# KiCad board hypjolin-main.kicad_pcb (continued)
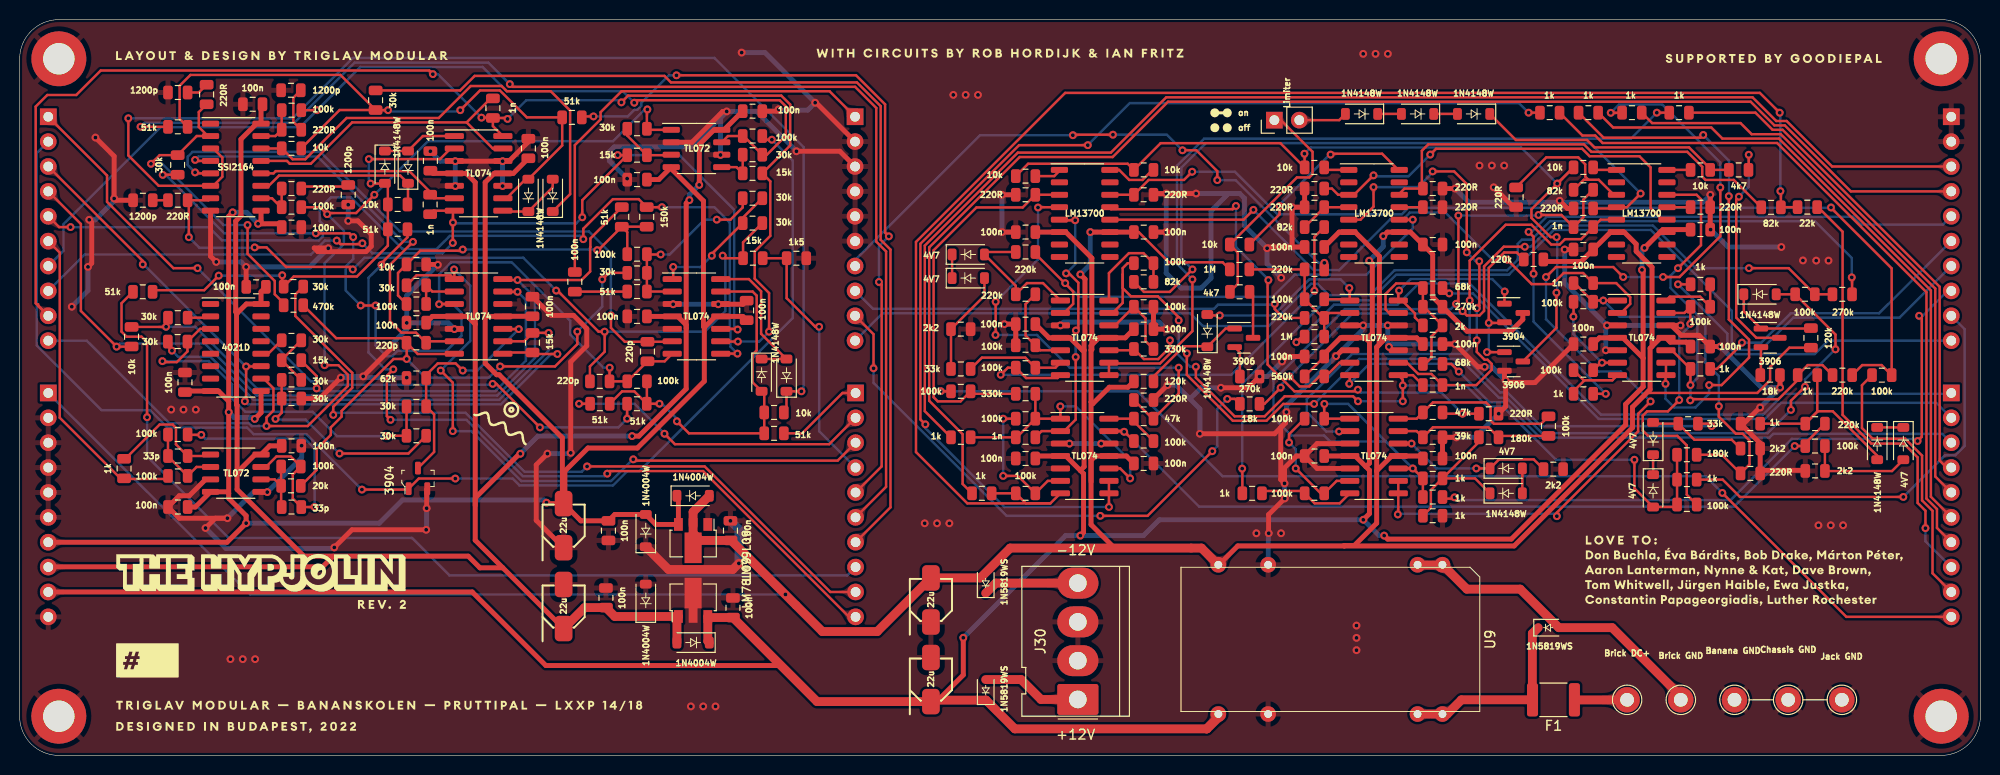
[diagram p0: board, top side]
## Routing (per net, layer and track width the routed paths; a pad name or vN(x,y) marks a point on that pad's centre or on a via; arc(x,y) is an arc through that point) (continued)
Net-(C35-Pad1): length 82.2
  Top w0.25: v1(136.51,36.16) 136.01,36.66 129.03,36.66 126.99,34.62 123.93,34.62 119.98,38.57 v1(119.98,39.69) ; 168.81,25.36 D21.2 164.71,27.27 v1(164.71,30.19) ; R107.2 R109.2 R104.2 ; R92.2 114.68,40.47 116.13,40.47 117.34,41.67 v1(117.34,42.38) ; v1(141.09,36.16) 141.09,37.77 v1(141.08,37.77) 141.08,38.36 140.62,38.82 142.12,38.82 C35.1 ; 111.11,41.36 113.53,41.36
  Bottom w0.25: v1(141.08,37.77) 147.52,37.77 149.68,35.61 151.29,35.61 156.72,30.19 v1(164.71,30.19) ; v1(136.51,36.16) v1(141.09,36.16) ; v1(117.34,42.38) 117.34,41.75 119.4,39.69 v1(119.98,39.69)
Net-(C35-Pad2): length 47.5
  Top w0.25: v1(144.13,59.62) 146.32,59.62 147.61,58.34 v1(147.61,51.37) ; v1(148.63,45.66) 148.89,45.92 148.89,50.45 v1(148.88,50.46) ; 135.68,54.7 136.77,54.7 138.1,56.03 v1(138.1,58.03) ; v1(148.63,42.38) 148.63,41.19 149.43,40.4 149.73,40.4 150.15,39.97 150.15,39.37 148.59,37.81 C35.2 144,38.94 142.66,38.94 141.5,40.09 U3.9
  Bottom w0.25: v1(147.61,51.37) 148.52,50.46 v1(148.88,50.46) ; v1(138.1,58.03) 142.63,58.03 144.13,59.52 v1(144.13,59.62) ; v1(148.63,45.66) 148.63,45.66 v1(148.63,42.38)
Net-(C36-Pad1): length 86.4
  Top w0.25: v1(154.93,55.18) 157.26,55.18 C36.1 159.5,54.94 159.5,56.75 R112.2 ; v1(146.52,46.1) 146.76,46.34 v1(146.76,55.12) ; v1(142.1,29.3) U6.10 142.12,29.3 R90.1 R129.1 ; U6.1 R130.2 133.07,35.87 v1(133.09,35.89)
  Bottom w0.25: v1(146.52,46.1) 145.98,45.57 135.17,45.57 127.89,38.29 127.89,34.48 129.71,32.66 133.06,32.66 133.67,32.05 139.35,32.05 ; 139.35,32.05 135.51,35.89 v1(133.09,35.89) ; 139.35,32.05 v1(142.1,29.3) ; v1(154.93,55.18) 154.87,55.12 146.76,55.12 v1(146.76,55.12)
Net-(C36-Pad2): length 52.7
  Top w0.25: v1(147.91,46.44) 147.91,50.51 151.57,54.17 154.22,54.17 156.23,52.16 157.08,52.16 157.63,52.71 159.27,52.71 C36.2 161.26,54.7 162.98,54.7 ; U6.2 134.62,33.11 v1(134.58,33.07)
  Bottom w0.25: v1(147.91,46.44) 147.91,41.64 147.25,40.99 135.91,40.99 131.29,36.37 131.29,35.06 133.29,33.07 v1(134.58,33.07)
Net-(C37-Pad1): length 44.5
  Top w0.25: R137.1 168.54,41.36 ; v1(170.42,37.81) 170.42,39.44 ; U7.1 160.63,46.44 ; R138.2 158.6,48.22 ; R124.1 183.9,39.85 182.39,39.85 R98.1 ; v1(170.4,36.25) 170.53,36.37 179.41,36.37 181.36,38.32
  Bottom w0.25: v1(161.53,46.44) 163.2,44.78 170.71,44.78 171.13,44.36 171.13,38.52 v1(170.42,37.81) 170.42,36.27 v1(170.4,36.25)
Net-(C37-Pad2): length 65.1
  Top w0.25: v1(125.85,55.7) 124.84,54.7 111.11,54.7 ; 163.36,45.17 164.28,46.1 164.28,46.79 162.85,48.22 C37.2 159.48,49.25 157.49,49.25 156.37,48.12 154.23,48.12 v1(151.73,50.62)
  Bottom w0.25: v1(151.73,50.62) 150.23,50.62 145.43,55.42 141.8,55.42 141.15,54.77 139.82,54.77 134.61,49.55 131.99,49.55 v1(125.85,55.7)
Net-(C38-Pad1): length 27.5
  Top w0.25: 101.7,32.47 R146.2 ; R146.2 U8.1 106.16,35.63 v1(106.15,35.64) ; R146.2 R143.1 ; C38.1 R145.1 ; U8.10 112.26,29.3 v1(113.27,28.28)
  Bottom w0.25: v1(113.27,28.28) 113.27,30.09 107.73,35.64 v1(106.15,35.64)
Net-(C38-Pad2): length 27.6
  Top w0.25: v1(107.74,43.38) 107.99,43.63 107.99,48.26 106.91,49.34 106.87,49.34 v1(106.74,49.22) ; v1(107.67,54.63) 106.23,54.63 ; 106.54,33.11 107.72,34.29 v1(107.72,40.68) ; U8.2 104.24,33.11 C38.2
  Bottom w0.25: v1(107.67,54.63) 107.67,50.15 v1(106.74,49.22) ; v1(107.72,40.68) 107.72,43.37 v1(107.74,43.38)
Net-(D1-Pad1): length 6.8
  Top w0.25: 49.38,55.53 D1.1 54.38,58.01 D3.2
Net-(D1-Pad2): length 67.2
  Top w0.25: v1(44.95,65.88) 46.96,67.89 48.98,67.89 51.73,65.14 R1.2 55.34,62.27 D1.2 ; 49.67,56.89 51.61,58.83 ; R7.1 32.64,65.89 R3.2 32.73,69.48 17.43,69.48 16.32,68.37 16.32,64.99 R4.2 ; v1(37.58,65.88) 36.33,65.88
  Bottom w0.25: v1(37.58,65.88) 37.71,65.75 44.82,65.75 v1(44.95,65.88)
Net-(D2-Pad1): length 7.7
  Top w0.25: D2.1 D4.2 41.14,63.24 IC2.1
Net-(D2-Pad2): length 45.8
  Top w0.25: 37.56,58.11 R8.1 R2.2 37.56,52.05 34.41,48.89 27.96,48.89 R5.2 ; v1(20.31,48.98) 18.82,47.5 13.87,47.5 ; v1(35.62,60.88) 35.62,60.88 42.88,60.88 43.96,61.97 ; 26.79,48.01 v1(26.79,49.02) ; v1(35.8,58.38) 37.23,58.38
  Bottom w0.25: v1(20.31,48.98) 26.75,48.98 v1(26.79,49.02) ; v1(35.62,60.88) 35.62,58.56 v1(35.8,58.38)
Net-(D3-Pad1): length 47.2
  Top w0.25: R7.2 27.85,60.86 29.14,60.86 33.36,65.08 42.75,65.08 46.02,68.34 49.17,68.34 49.7,67.81 54.18,67.81 56.15,65.83 56.15,57.31 D3.1 ; IC3.14 26.72,61.97
Net-(D4-Pad1): length 17.9
  Top w0.25: 39.61,56.3 D4.1 38.82,59.2 26.46,59.2 25.42,58.16 IC3.11
Net-(D5-Pad1): length 15.1
  Top w0.25: IC6.14 74.38,48.63 75.63,47.38 75.63,43.04 78.2,40.47 ; 75.68,40.47 78.22,40.47
Net-(D5-Pad2): length 38.7
  Top w0.25: D5.2 74.76,38.1 74.76,40.93 75.18,41.35 75.18,46.94 74.77,47.36 IC6.13 ; R41.2 61.45,37.16 62.7,37.16 R43.2 v1(65.27,35.9) ; R45.1 63.98,35.92 ; v1(67.05,34.11) 68.27,32.88 R42.2 R46.1 75.95,36.9
  Bottom w0.25: v1(65.27,35.9) 65.52,35.9 67.05,34.38 v1(67.05,34.11)
Net-(D12-Pad2): length 10.2
  Top w0.9: D12.2 102.15,7.74 104.18,5.71 J30.1
Net-(D13-Pad1): length 9.8
  Top w0.9: D13.1 99.57,17.59 J30.4
Net-(D14-Pad1): length 10.3
  Top w0.25: D14.1 123.02,43.58 123.94,43.58 ; 121.09,41.78 118.76,41.78 115.65,38.67
Net-(D14-Pad2): length 20
  Top w0.25: R68.1 135.55,46.57 ; U3.1 135.68,47.67 v1(135.63,47.72) ; v1(122.42,44.92) 121.24,44.92
  Bottom w0.25: v1(135.63,47.72) 134.74,48.6 131.55,48.6 127.86,44.92 v1(122.42,44.92)
Net-(D15-Pad1): length 2.4
  Top w0.25: D17.1 D15.1
Net-(D15-Pad2): length 14.1
  Top w0.25: D15.2 101.61,47.95 R83.1 102.75,48.22 104.38,48.22 U4.1 ; R67.1 98.67,51.4
Net-(D16-Pad1): length 9.3
  Top w0.25: D16.1 175.87,45.33 177.61,43.58 182.67,43.58
Net-(D16-Pad2): length 68.1
  Top w0.25: 135.68,38.82 135.68,37.98 v1(135.63,37.94) ; v1(180.67,35.27) 180.67,36.21 v1(182.11,37.64) ; v1(185.22,41.46) 185.22,42.97 R72.1 D16.2
  Bottom w0.25: v1(135.63,37.94) 137.68,39.99 147.42,39.99 150.89,36.51 151.67,36.51 155.28,32.9 178.3,32.9 v1(180.67,35.27) ; v1(182.11,37.64) 182.11,38.37 185.19,41.46 v1(185.22,41.46)
Net-(D17-Pad2): length 10.7
  Top w0.25: D17.2 98.41,46.94 R78.1 R80.1
Net-(D18-Pad1): length 2.4
  Top w0.25: D18.1 D19.2
Net-(D18-Pad2): length 5
  Top w0.25: J14.2 134.59,64.86 D18.2
Net-(D19-Pad1): length 2.4
  Top w0.25: D19.1 D20.2
Net-(D20-Pad1): length 26.7
  Top w0.25: D20.1 152.62,62.84 159.87,62.84 160.64,62.08 170.28,62.08 172.44,59.92 ; R81.1 R97.2
Net-(D21-Pad1): length 2
  Top w0.25: D22.1 D21.1
Net-(D22-Pad2): length 9.8
  Top w0.25: 166.74,33.87 R93.2 170.83,32.23 174.64,32.23 R88.1
Net-(D23-Pad1): length 15.4
  Top w0.25: R90.2 148.85,32 ; R90.2 148.45,28.28 D23.1 ; R90.2 143.95,27.1 143.95,25.29 R91.1
Net-(D23-Pad2): length 2.5
  Top w0.25: D23.2 D24.2
Net-(D24-Pad1): length 16.7
  Top w0.25: v1(141.98,31.84) U6.12 ; v1(148.58,29.3) D24.1 150.9,30.22 154.44,30.22 R101.1
  Bottom w0.25: v1(148.58,29.3) 144.52,29.3 v1(141.98,31.84)
Net-(D25-Pad1): length 2.7
  Top w0.25: D25.1 D26.1
Net-(D25-Pad2): length 20.2
  Top w0.25: R98.2 183.36,35.09 R115.1 ; R115.1 183.41,35.14 184.93,35.14 189.47,30.6 D25.2 ; R115.1 R99.1
Net-(D26-Pad2): length 11
  Top w0.25: R110.2 R114.1 ; 184.15,29.03 190.98,29.03 D26.2
Net-(D33-Pad1): length 19.9
  Top w0.9: F1.2 147.07,5.68 145.62,4.23 U9.22 ; D33.1 154.3,12.45 154.3,5.69
Net-(D33-Pad2): length 32.9
  Top w0.9: 142.61,19.43 145.17,19.43 147.62,16.98 153.06,16.98 D33.2 162.44,13.04 169.8,5.68
Net-(F1-Pad1): length 5.4
  Top w0.9: 163.95,5.67 158.6,5.67
Net-(IC1-Pad2): length 2.2
  Top w0.25: R23.2 19.34,44.69
Net-(IC1-Pad3): length 38.9
  Top w0.25: IC1.3 18.42,43.55 R19.2 17.12,41.24 16.03,40.15 14.67,40.15 v1(14.56,40.25) ; v1(37.45,32.6) 37.49,32.63 R25.2 R20.2
  Bottom w0.25: v1(14.56,40.25) 19.27,40.25 21.66,37.86 21.66,36.45 23.03,35.08 29.89,35.08 32.37,32.6 v1(37.45,32.6)
Net-(IC1-Pad12): length 1.9
  Top w0.25: R24.2 25.36,41.01
Net-(IC3-Pad2): length 33.1
  Top w0.25: R49.2 18.28,65.68 18.28,64.16 19.2,63.24 ; IC3.2 18.07,63.24 R47.2 14.29,61.29 v1(13.4,60.4) ; v1(23.25,54.15) 23.25,51.21 26.02,48.44 26.02,47.08 26.93,46.17
  Bottom w0.25: v1(23.25,54.15) 20.79,54.15 14.54,60.4 v1(13.4,60.4)
Net-(IC3-Pad10): length 4.3
  Top w0.25: R10.2 R12.1 ; IC3.10 25.74,56.89 26.66,55.97
Net-(IC3-Pad15): length 4.4
  Top w0.25: R11.1 R9.2 26.09,63.24 IC3.15
Net-(IC4-Pad3): length 6
  Top w0.25: 66.41,61.28 R14.2 61.98,63.28 R16.1
Net-(IC4-Pad5): length 4.3
  Top w0.25: IC4.5 73.12,60.06 R13.2 R15.1
Net-(IC5-Pad2): length 5
  Top w0.25: R44.2 R48.1 42.1,47.36 IC5.2
Net-(IC5-Pad9): length 50
  Top w0.25: 15.12,41.75 v1(15.54,41.33) ; R22.2 51.46,42.28 IC5.9 ; v1(53.97,43.14) 52.32,43.14
  Bottom w0.25: v1(53.97,43.14) 53.97,41.36 48.9,36.29 23.87,36.29 19.46,40.7 16.17,40.7 v1(15.54,41.33)
Net-(IC5-Pad10): length 23.8
  Top w0.25: Q1.3 42.28,30.98 42.28,34.82 R20.1 R21.2 ; 41.47,38.84 42.65,40.02 44.48,40.02 v1(45.2,39.29) ; v1(50.92,43.52) 49.32,43.52
  Bottom w0.25: v1(50.92,43.52) 46.69,39.29 v1(45.2,39.29)
Net-(IC5-Pad13): length 57.4
  Top w0.25: v1(30.3,37.47) 30.3,38.73 28.68,40.35 ; 14.94,44.49 v1(14.94,43.76) 14.92,43.75 R29.2 ; v1(50.79,47.33) 49.32,47.33
  Bottom w0.25: v1(50.79,47.33) 51.64,46.48 51.64,40.3 48.53,37.19 30.57,37.19 v1(30.3,37.47) 30.27,37.44 24.24,37.44 17.91,43.76 v1(14.94,43.76)
Net-(IC6-Pad1): length 13
  Top w0.25: R34.1 70.6,51.19 v1(70.6,51.02) ; v1(66.66,49.87) 66.66,48.73 ; 73.76,54.89 R33.2
  Bottom w0.25: v1(66.66,49.87) 66.68,49.86 69.44,49.86 v1(70.6,51.02)
Net-(IC6-Pad2): length 19.1
  Top w0.25: R31.2 R30.2 IC6.2 ; R33.1 73.76,55.95 72.51,54.7 v1(71.11,54.7) ; v1(65.39,51.14) 64.01,51.14
  Bottom w0.25: v1(65.39,51.14) 66.3,51.14 69.85,54.7 v1(71.11,54.7)
Net-(J14-Pad1): length 23.8
  Top w0.25: R76.1 124.25,48.13 124.25,51.35 R75.2 130.28,59.01 131.55,59.01 131.88,59.34 131.88,61.63 128.65,64.86
Net-(Q2-Pad2): length 3.2
  Top w0.25: R77.1 124.47,41.15 Q2.2
Net-(Q2-Pad3): length 4.3
  Top w0.25: Q2.3 125.81,46.97
Net-(Q3-Pad1): length 17.5
  Top w0.25: 141,46.44 142.32,45.12 142.32,44.72 R73.1 ; U3.14 140.62,47.38 v1(140.71,47.46) ; Q3.1 151.45,47.34 v1(151.48,47.37)
  Bottom w0.25: v1(140.71,47.46) 141.88,48.63 150.21,48.63 v1(151.48,47.37)
Net-(Q3-Pad2): length 16.5
  Top w0.25: R79.1 152.71,51.35 151.43,51.35 149.85,49.77 v1(149.85,44.15) 151.38,44.15 ; v1(149.67,41.18) 149.68,41.17 Q5.1
  Bottom w0.25: v1(149.67,41.18) 149.85,41.36 v1(149.85,44.15)
Net-(Q4-Pad2): length 2.8
  Top w0.25: 177.61,38.89 Q4.2
Net-(Q4-Pad3): length 23.9
  Top w0.25: v1(175.37,57.04) 175.09,56.77 175.09,44.69 177.16,42.63 Q4.3 ; 176.37,59.8 v1(176.37,61.32)
  Bottom w0.25: v1(175.37,57.04) 176.37,58.04 v1(176.37,61.32)
Net-(Q5-Pad3): length 88.2
  Top w0.25: R139.1 102.87,60.4 113.03,60.4 R131.1 116.38,62.51 128.59,62.51 R95.1 131.07,61.41 v1(131.05,61.43) ; v1(156.83,58.38) 156.85,58.38 R118.1 ; v1(156.76,47.24) 156.76,43.65 Q5.3 ; 158.49,60.03 154.21,55.75 154.21,54.88 156.16,52.92 v1(156.78,52.92)
  Bottom w0.25: v1(131.05,61.43) 131.69,62.06 153.15,62.06 v1(156.83,58.38) ; v1(156.78,52.92) 156.83,52.86 156.83,47.32 v1(156.76,47.24)
Net-(R24-Pad1): length 5.7
  Top w0.25: 26.72,40.35 R27.2 ; 26.7,40.35 R24.1
Net-(R25-Pad1): length 21.8
  Top w0.25: v1(32.63,30.82) 39.66,30.82 R25.1 ; v1(26.1,34.35) 26.73,34.98 R28.2 R27.1
  Bottom w0.25: v1(32.63,30.82) 29.16,34.29 26.16,34.29 v1(26.1,34.35)
Net-(R31-Pad1): length 34
  Top w0.25: v1(58.92,51.58) 59.02,51.58 R35.2 ; R44.1 38.6,46.96 38.6,49.26 R38.2 40.87,51.53 45.08,51.53 v1(45.2,51.65) ; R31.1 61.98,53.42 R35.2 ; R35.2 R36.2
  Bottom w0.25: v1(58.92,51.58) 58.84,51.65 v1(45.2,51.65)
Net-(R51-Pad2): length 44.7
  Top w0.25: R51.2 174.85,58.75 171.96,58.75 171.63,59.09 171.63,60.1 170.1,61.63 160.32,61.63 159.56,62.39 143.69,62.39 143.03,61.73 143.03,57.98 ; R52.2 141.26,57.87 140.62,57.24
Net-(R53-Pad2): length 2.5
  Top w0.25: R53.2 140.62,55.97
Net-(R54-Pad1): length 16.1
  Top w0.25: 132.98,44.67 R68.2 R54.1 R61.2 ; U3.2 133.58,45.17 R55.1 R57.1
Net-(R56-Pad1): length 79.5
  Top w0.25: v1(129.54,38.69) 130.56,37.67 131.55,37.67 132.57,38.7 R69.2 ; v1(128.63,37.55) 126.97,35.89 R56.1 ; v1(153.53,51.93) 151.38,51.93 149.37,49.93 149.37,45.38 148.92,44.92 147.62,44.92 v1(147.18,45.35) ; 184.91,47.08 R72.2 180.44,49.75 v1(176.39,49.75) ; U3.6 134.63,40.09 133.23,38.7
  Bottom w0.25: v1(153.53,51.93) 154.13,51.93 156.29,54.1 166.6,54.1 170.95,49.75 v1(176.39,49.75) ; v1(147.18,45.35) 146.95,45.12 135.96,45.12 v1(129.54,38.69) 128.63,37.79 v1(128.63,37.55)
Net-(R58-Pad1): length 16.7
  Top w0.25: R70.2 R58.1 142.66,48.18 140.41,48.18 139.32,47.1 139.32,45.54 139.69,45.17 U3.13 ; 143.23,45.81 R73.2 144.01,42.78 144.01,40.6 143.37,39.97
Net-(R67-Pad2): length 49.3
  Top w0.25: 106.54,45.17 107.46,46.1 107.46,47.36 103.61,51.21 ; v1(142.1,54.7) 140.62,54.7
  Bottom w0.25: v1(106.65,48.22) 108.05,46.82 127.82,46.82 130.08,49.08 137.39,49.08 142.1,53.8 v1(142.1,54.7)
Net-(R75-Pad1): length 20.3
  Top w0.25: v1(133.72,61.34) 133.81,61.43 138.97,61.43 140.62,59.78 ; v1(128.51,56.1) 128.51,55.24 R75.1
  Bottom w0.25: v1(128.51,56.1) 128.51,56.22 133.63,61.34 v1(133.72,61.34)
Net-(R80-Pad2): length 10.3
  Top w0.25: R80.2 98.15,40.61 102.58,40.61 R85.1 105.65,39.59 U4.6
Net-(R83-Pad2): length 8.8
  Top w0.25: R83.2 102.61,46.08 102.61,42.87 R84.2 104.11,41.36 106.16,41.36
Net-(R85-Pad2): length 49.5
  Top w0.25: 106.16,38.82 105.87,38.53 102.66,38.53 R85.2 100.8,39.59 v1(100.07,38.86) ; R86.1 132.07,52.94 v1(132.07,47.43)
  Bottom w0.25: v1(132.07,47.43) 132.07,47.33 129.43,44.69 129.35,44.69 129.35,44.6 123.61,38.86 v1(100.07,38.86)
Net-(R86-Pad2): length 5.4
  Top w0.25: 133.07,55.94 R86.2 ; 135.68,55.97 R87.2
Net-(R89-Pad2): length 42.2
  Top w0.25: R89.2 133.85,57.87 134.49,57.24 136.11,57.24 v1(138.1,59.22) ; v1(143.88,61.34) 144.48,61.94 159.38,61.94 160.14,61.18 165.22,61.18 166.36,60.03 166.36,55.89 167.55,54.7
  Bottom w0.25: v1(143.88,61.34) 141.67,59.12 138.2,59.12 v1(138.1,59.22)
Net-(R92-Pad1): length 7.8
  Top w0.25: 111.75,43.9 R94.1 114.84,44.62 114.84,42.3 R92.1
Net-(R95-Pad2): length 2.4
  Top w0.25: 135.68,59.78 133.32,59.78
Net-(R97-Pad1): length 2.5
  Top w0.25: R97.1 167.93,59.78
Net-(R100-Pad1): length 10.5
  Top w0.25: R103.2 R100.1 114.63,51.28 113.15,51.28 111.11,49.24 U4.14
Net-(R100-Pad2): length 83.3
  Top w0.25: v1(172.58,33.62) 172.34,33.87 R93.1 ; 112.51,49.11 112.51,49.75 113.02,50.25 R100.2 ; 112.51,49.11 112.51,47.71 113.35,46.87 116.09,46.87 118.23,44.74 v1(118.23,44.41) ; 112.51,49.11 112.51,46.2 111.49,45.17 ; v1(119.06,41.05) 119.06,38.86 123.75,34.17 127.18,34.17 128.89,35.88 v1(132.04,35.88)
  Bottom w0.25: v1(118.23,44.41) 118.23,41.88 v1(119.06,41.05) ; v1(132.04,35.88) 136.63,40.47 147.6,40.47 151.02,37.06 151.75,37.06 155.19,33.62 v1(172.58,33.62)
Net-(R102-Pad2): length 2.5
  Top w0.25: 167.93,55.97 R102.2
Net-(R103-Pad1): length 73.5
  Top w0.25: v1(119.63,49.62) 119.62,49.62 117.32,47.32 114.68,47.32 R103.1 ; v1(165.34,57.37) 163.95,55.97 U2.4 ; R108.1 162.75,55.84
  Bottom w0.25: v1(119.63,49.62) 118.5,50.75 118.5,60.01 121,62.52 160.19,62.52 v1(165.34,57.37)
Net-(R104-Pad1): length 42.4
  Top w0.25: R104.1 173.63,30.7 R105.2 176.45,29.71 176.45,32.14 175.75,32.85 175.06,32.85 173.32,34.58 v1(173.32,35.65) ; 167.93,57.24 171.05,57.24 171.5,56.79 171.5,52.09 v1(169.15,49.75)
  Bottom w0.25: v1(173.32,35.65) 173.32,38.72 171.95,40.09 171.95,44.17 168.39,47.73 168.39,48.98 v1(169.15,49.75)
Net-(R106-Pad1): length 16.3
  Top w0.25: R96.2 149.82,33.5 144.16,33.5 R106.1 142.5,33.11 U6.13 ; R113.1 150.99,32.62
Net-(R107-Pad1): length 30.2
  Top w0.25: v1(169.28,36.28) 168.12,35.12 166,35.12 165.56,34.69 165.56,33.16 166.1,32.62 169.08,32.62 170.05,31.65 170.05,26.62 R107.1 ; 170.41,45.78 v1(170.41,44.06) ; R116.2 169.81,45.17 U7.13
  Bottom w0.25: v1(169.28,36.28) 169.28,42.75 170.41,43.88 v1(170.41,44.06)
Net-(R111-Pad1): length 15.5
  Top w0.25: 158.52,57.75 159.55,58.77 160.02,58.77 ; 160.02,58.77 159.69,59.1 159.69,60.35 158.98,61.06 155.72,61.06 R111.1 ; 160.02,58.77 161.07,58.77 162.6,57.24
Net-(R113-Pad2): length 18
  Top w0.25: R113.2 155.19,33.86 150.37,33.86 150.04,34.2 150.04,35.58 149.58,36.04 144.16,36.04 R119.1 142.5,34.38 U6.14
Net-(R114-Pad2): length 82.6
  Top w0.25: R122.1 112.64,33.11 U8.13 112.6,33.11 v1(112.66,33.04) ; v1(181.06,31.58) R114.2 ; R115.2 182.14,31.87
  Bottom w0.25: v1(112.66,33.04) 120.31,25.4 174.87,25.4 v1(181.06,31.58)
Net-(R116-Pad1): length 7.4
  Top w0.25: R120.2 R116.1 171.42,46.83 168.32,46.83 U7.14
Net-(R117-Pad2): length 81.1
  Top w0.25: U4.9 111.11,38.82 ; R117.2 v1(167,65.62) ; v1(119.62,48.6) 119.62,43.32 116.32,40.02 111.19,40.02
  Bottom w0.25: v1(167,65.62) 164.34,62.97 120.82,62.97 118.05,60.2 118.05,50.18 v1(119.62,48.6)
Net-(R118-Pad2): length 2.2
  Top w0.25: 162.98,59.78 160.76,59.78
Net-(R119-Pad2): length 56.5
  Top w0.25: 111.11,55.97 111.32,55.76 123.74,55.76 v1(124.07,56.1) ; R121.2 v1(147.18,34.89) 145.26,34.89 ; v1(127.37,48.53) 127.3,48.45 127.3,39.91 130.03,37.17 136.34,37.17 v1(136.51,37.34)
  Bottom w0.25: v1(127.37,48.53) 127.37,48.6 124.07,51.9 v1(124.07,56.1) ; v1(136.51,37.34) 136.8,37.05 145.02,37.05 v1(147.18,34.89)
Net-(R122-Pad2): length 5.4
  Top w0.25: U8.14 R125.1 ; 113.65,34.09 R122.2
Net-(R123-Pad2): length 101.3
  Top w0.25: R124.2 187.94,39.85 189.93,39.85 R128.2 190.95,49.72 184.76,55.91 v1(184.76,55.94) ; v1(119.6,59.59) 118.76,58.75 115.17,58.75 R123.2 111.11,57.24
  Bottom w0.25: v1(119.6,59.59) 123.95,59.59 128.3,55.24 140.99,55.24 141.65,55.9 184.72,55.9 v1(184.76,55.94)
Net-(R125-Pad2): length 46.1
  Top w0.25: 106.16,55.97 103.91,55.97 v1(103.88,55.94) ; v1(118.23,39.59) 118.23,36.95 R125.2 ; v1(99.56,46.32) 99.56,42.94 v1(99.54,42.93) ; 115.56,34.38 R126.2
  Bottom w0.25: v1(99.54,42.93) 103.77,42.93 107.11,39.59 v1(118.23,39.59) ; v1(103.88,55.94) 103.88,50.64 v1(99.56,46.32)
Net-(R127-Pad2): length 39
  Top w0.25: 106.16,57.24 R135.2 102.31,55.94 97.6,55.94 93.23,51.57 93.23,36.57 93.65,36.15 95.98,36.15 R127.2 ; R143.2 97.26,36.92
Net-(R130-Pad1): length 13.1
  Top w0.25: U6.6 134.34,28.03 R134.2 132.7,26.76 v1(130.17,29.3) ; v1(129.48,31.94) 129.48,32.79 R130.1
  Bottom w0.25: v1(129.48,31.94) 130.17,31.26 v1(130.17,29.3)
Net-(R131-Pad2): length 5.3
  Top w0.25: 111.11,59.78 112.15,59.78 113.18,58.75 114.53,58.75 115.56,59.78
Net-(R133-Pad2): length 96.9
  Top w0.25: v1(155.69,48.84) 156.71,49.86 162.55,49.86 v1(163.57,48.84) ; v1(140.58,24.6) 140.62,24.65 U6.8 U6.9 ; v1(173.47,57.99) 173.47,53.01 169.31,48.84 v1(167.63,48.84) ; 163.44,65.61 v1(162.3,65.61) ; v1(166.36,36.14) 165.09,34.87 165.09,33.09 156.8,24.8 v1(156.8,24.43)
  Bottom w0.25: v1(173.47,57.99) 173.47,60.53 167.55,66.44 163.13,66.44 v1(162.3,65.61) ; v1(155.69,48.84) 155.69,44.53 161.03,39.19 163.31,39.19 v1(166.36,36.14) ; v1(156.8,24.43) 156.55,24.67 140.65,24.67 v1(140.58,24.6) ; v1(163.57,48.84) v1(167.63,48.84)
Net-(R134-Pad1): length 9.3
  Top w0.25: 126.96,27 130.83,27 ; R134.1 132.09,25.73 134.65,25.73 U6.7
Net-(R138-Pad1): length 10.2
  Top w0.25: v1(158.49,44.79) 158.5,44.81 R138.1 ; U7.6 v1(161.41,40.09) 161.26,40.09 R141.2
  Bottom w0.25: v1(158.49,44.79) 158.49,43.01 v1(161.41,40.09)
Net-(R139-Pad2): length 2.8
  Top w0.25: 106.16,59.78 105.53,59.14 R139.2
Net-(R141-Pad1): length 9.5
  Top w0.25: 162.46,38.31 159.63,38.31 158.5,37.18 ; 162.46,38.31 162.98,38.82 ; 162.46,38.31 159.53,38.31 R141.1
Net-(R142-Pad2): length 53.7
  Top w0.25: U7.9 167.93,38.82 ; v1(171.73,63.34) 171.45,63.07 161.56,63.07 R142.2 ; v1(174.34,57.09) 174.34,44.51 176.4,42.44 176.4,40.61 173.6,37.81 v1(172.33,37.81) ; v1(167.88,37.94) 167.88,38.78
  Bottom w0.25: v1(171.73,63.34) 174.36,60.71 174.36,57.12 v1(174.34,57.09) ; v1(167.88,37.94) 167.88,36.41 168.77,35.52 170.93,35.52 172.33,36.92 v1(172.33,37.81)
Net-(R146-Pad1): length 14.2
  Top w0.25: v1(100.32,34.38) R146.1 ; U8.6 104.88,28.03 R149.2 101.83,28.54 v1(100.32,28.54)
  Bottom w0.25: v1(100.32,28.54) v1(100.32,34.38)
Net-(R147-Pad2): length 113.3
  Top w0.25: U8.9 U8.8 111.11,25.36 v1(111.11,25.36) ; v1(153.91,65.62) R147.2 ; v1(92.39,33.8) 91.88,34.31 91.88,52.24 101.95,62.31 v1(108.96,62.31)
  Bottom w0.25: v1(153.91,65.62) 152.94,66.6 113.25,66.6 v1(108.96,62.31) ; v1(111.11,25.36) 100.44,25.36 92.39,33.42 v1(92.39,33.8)

## Copper pours and planes (outline as drawn; the poured copper is in the pictures)
GND on Top, Bottom: 205.73,-3.34 -7,-3.34 -6.36,79.24 207,79.24
VCC on Top: 121.65,2.62 121.8,2.77 121.92,2.89 122.03,2.99 122.13,3.09 122.23,3.17 122.32,3.25 122.41,3.33 122.51,3.41 122.63,3.49 122.75,3.59 122.45,4.58 121.47,4.24 121.47,4.12 121.46,4.02 121.44,3.92 121.42,3.83 121.38,3.74 121.34,3.65 121.28,3.56 121.21,3.47 121.12,3.37 121.02,3.26
VCC on Top: 121.63,2.64 121.78,2.78 121.9,2.9 122.01,3.01 122.11,3.1 122.2,3.18 122.29,3.25 122.39,3.33 122.49,3.4 122.6,3.48 122.73,3.57 122.46,4.57 121.47,4.27 121.46,4.15 121.45,4.04 121.43,3.94 121.41,3.85 121.37,3.76 121.33,3.67 121.27,3.58 121.19,3.49 121.1,3.39 121,3.28
VCC on Top: 4.61,16.94 4.42,16.94 4.26,16.96 4.12,17 4,17.04 3.89,17.09 3.79,17.16 3.57,17.3 3.44,17.37 3.29,17.45 2.5,16.69 3.29,15.92 3.44,16 3.57,16.08 3.79,16.22 3.89,16.28 4,16.33 4.12,16.38 4.26,16.41 4.42,16.43 4.61,16.44
VEE on Top: 123.24,20.73 123.11,20.61 122.99,20.52 122.88,20.45 122.77,20.4 122.67,20.37 122.56,20.34 122.33,20.3 122.2,20.27 122.05,20.23 121.97,19.2 123.01,19.16 123.07,19.31 123.11,19.45 123.17,19.68 123.2,19.79 123.24,19.9 123.3,20.01 123.37,20.12 123.47,20.24 123.59,20.38
VEE on Top: 120.85,20.24 120.97,20.11 121.07,20 121.16,19.9 121.23,19.81 121.29,19.72 121.34,19.63 121.38,19.53 121.43,19.43 121.47,19.32 121.52,19.19 122.56,19.19 122.52,20.22 122.4,20.27 122.28,20.31 122.18,20.35 122.09,20.39 122,20.44 121.91,20.5 121.82,20.57 121.72,20.65 121.61,20.75 121.48,20.87
VEE on Bottom: 4.21,35.9 4.07,36.05 3.98,36.18 3.91,36.31 3.87,36.44 3.85,36.56 3.84,36.68 3.82,36.81 3.81,36.96 3.78,37.11 3.72,37.29 2.62,37.31 2.64,36.2 2.82,36.15 2.97,36.12 3.11,36.1 3.25,36.09 3.37,36.08 3.49,36.05 3.62,36.02 3.74,35.95 3.88,35.86 4.03,35.72
/cv_f_pot on Top: 84.16,33.18 84.31,33.32 84.45,33.41 84.57,33.48 84.7,33.51 84.82,33.54 84.94,33.55 85.08,33.56 85.22,33.58 85.37,33.61 85.55,33.66 85.57,34.77 84.47,34.75 84.41,34.57 84.38,34.42 84.37,34.27 84.35,34.14 84.34,34.02 84.32,33.9 84.28,33.77 84.21,33.64 84.12,33.51 83.98,33.36
/damp_mod_pot on Top: 86.5,43.78 86.37,43.93 86.27,44.06 86.21,44.19 86.17,44.31 86.15,44.44 86.13,44.56 86.12,44.69 86.1,44.84 86.07,44.99 86.02,45.16 84.92,45.19 84.94,44.08 85.11,44.03 85.27,44 85.41,43.98 85.54,43.97 85.67,43.96 85.79,43.93 85.91,43.89 86.04,43.83 86.18,43.74 86.32,43.6
/damp_pot on Bottom: 86.32,43.63 86.18,43.49 86.04,43.4 85.91,43.34 85.79,43.3 85.67,43.27 85.54,43.26 85.41,43.25 85.27,43.23 85.11,43.2 84.94,43.15 84.92,42.04 86.02,42.07 86.07,42.24 86.1,42.4 86.12,42.54 86.13,42.67 86.15,42.79 86.17,42.92 86.21,43.04 86.27,43.17 86.37,43.3 86.5,43.45
/ext_in on Top: 83.93,66.31 84.07,66.16 84.16,66.03 84.23,65.9 84.27,65.78 84.29,65.65 84.3,65.53 84.32,65.4 84.33,65.26 84.36,65.1 84.42,64.93 85.52,64.9 85.5,66.01 85.32,66.06 85.17,66.09 85.03,66.11 84.89,66.12 84.77,66.13 84.65,66.16 84.52,66.2 84.4,66.26 84.26,66.35 84.11,66.49
/fine_pot on Bottom: 195.33,36.79 195.54,36.78 195.71,36.76 195.85,36.71 195.97,36.65 196.08,36.59 196.19,36.51 196.3,36.44 196.42,36.36 196.57,36.28 196.74,36.21 197.45,37.05 196.58,37.73 196.44,37.63 196.31,37.53 196.21,37.44 196.12,37.35 196.02,37.26 195.92,37.19 195.81,37.13 195.68,37.08 195.52,37.05 195.33,37.04
/freq_a_pot on Top: 86.37,23.05 86.23,22.92 86.09,22.82 85.96,22.76 85.84,22.72 85.72,22.69 85.59,22.68 85.46,22.67 85.32,22.65 85.16,22.62 84.99,22.57 84.97,21.47 86.07,21.49 86.12,21.66 86.15,21.82 86.17,21.96 86.18,22.09 86.2,22.21 86.22,22.34 86.26,22.46 86.32,22.59 86.42,22.72 86.55,22.87
/freq_b_pot on Top: 83.58,16.56 83.78,16.55 83.94,16.52 84.08,16.48 84.19,16.42 84.29,16.35 84.39,16.27 84.49,16.18 84.61,16.1 84.74,16.01 84.9,15.92 85.69,16.69 84.9,17.45 84.74,17.36 84.61,17.28 84.49,17.19 84.39,17.1 84.29,17.03 84.19,16.96 84.08,16.9 83.94,16.85 83.78,16.82 83.58,16.81
/freq_cv_a_pot on Top: 86.37,28.13 86.23,28 86.09,27.9 85.96,27.84 85.84,27.8 85.72,27.77 85.59,27.76 85.46,27.75 85.32,27.73 85.16,27.7 84.99,27.65 84.97,26.55 86.07,26.57 86.12,26.74 86.15,26.9 86.17,27.04 86.18,27.17 86.2,27.29 86.22,27.42 86.26,27.54 86.32,27.67 86.42,27.8 86.55,27.95
/freq_cv_b_pot on Top: 83.74,14.83 83.89,14.67 84,14.53 84.09,14.4 84.16,14.28 84.23,14.16 84.29,14.05 84.35,13.93 84.43,13.81 84.54,13.69 84.67,13.55 85.68,14.06 85.06,14.97 84.92,14.93 84.79,14.89 84.67,14.85 84.56,14.81 84.45,14.79 84.35,14.78 84.25,14.8 84.14,14.83 84.03,14.9 83.91,15.01
/freq_f_pot on Top: 4.21,64.1 4.07,64.25 3.98,64.38 3.91,64.51 3.87,64.63 3.85,64.76 3.84,64.88 3.82,65.01 3.81,65.16 3.78,65.31 3.72,65.48 2.62,65.51 2.64,64.4 2.82,64.35 2.97,64.32 3.11,64.3 3.25,64.29 3.37,64.28 3.49,64.25 3.62,64.21 3.74,64.15 3.88,64.06 4.03,63.92
/gain_mod_pot on Bottom: 85.94,51.48 85.78,51.33 85.63,51.21 85.5,51.13 85.37,51.06 85.25,51 85.14,50.94 85.02,50.88 84.89,50.8 84.76,50.7 84.62,50.57 85.11,49.55 86.05,50.13 86.02,50.28 85.98,50.41 85.94,50.53 85.91,50.64 85.89,50.75 85.89,50.86 85.9,50.96 85.94,51.07 86.01,51.18 86.12,51.3
/gain_pot on Bottom: 86.5,46.32 86.37,46.47 86.27,46.6 86.21,46.73 86.17,46.85 86.15,46.98 86.13,47.1 86.12,47.23 86.1,47.38 86.07,47.53 86.02,47.7 84.92,47.73 84.94,46.62 85.11,46.57 85.27,46.54 85.41,46.52 85.54,46.51 85.67,46.5 85.79,46.47 85.91,46.43 86.04,46.37 86.18,46.28 86.32,46.14
/LEDU on Top: 195.72,30.4 195.74,30.25 195.77,30.13 195.82,30.03 195.88,29.94 195.95,29.87 196.02,29.8 196.08,29.72 196.13,29.63 196.17,29.52 196.18,29.39 197.42,29.22 196.98,30.23 196.84,30.22 196.7,30.19 196.56,30.16 196.43,30.13 196.31,30.12 196.2,30.11 196.1,30.14 196.03,30.19 195.99,30.27 195.97,30.4
/LEDX on Top: 195.74,22.87 195.88,22.72 195.97,22.59 196.04,22.46 196.08,22.34 196.1,22.21 196.11,22.09 196.13,21.96 196.14,21.82 196.17,21.66 196.23,21.49 197.33,21.47 197.31,22.57 197.13,22.62 196.98,22.65 196.84,22.67 196.7,22.68 196.58,22.69 196.46,22.72 196.33,22.76 196.21,22.82 196.07,22.92 195.92,23.05
/LEDY on Top: 195.74,25.44 195.88,25.29 195.97,25.15 196.04,25.02 196.08,24.9 196.1,24.78 196.12,24.65 196.13,24.52 196.14,24.37 196.17,24.22 196.22,24.04 197.32,24 197.32,25.1 197.15,25.16 196.99,25.19 196.85,25.21 196.71,25.23 196.59,25.25 196.46,25.27 196.34,25.31 196.21,25.38 196.07,25.48 195.92,25.61
/LEDZ on Top: 195.74,27.95 195.88,27.8 195.97,27.67 196.04,27.54 196.08,27.42 196.1,27.29 196.11,27.17 196.13,27.04 196.14,26.9 196.17,26.74 196.23,26.57 197.33,26.55 197.31,27.65 197.13,27.7 196.98,27.73 196.84,27.75 196.7,27.76 196.58,27.77 196.46,27.8 196.33,27.84 196.21,27.9 196.07,28 195.92,28.13
/offset_switch on Bottom: 1.87,61.45 1.89,61.63 1.95,61.74 2.05,61.81 2.17,61.84 2.32,61.84 2.48,61.83 2.66,61.82 2.84,61.81 3.02,61.82 3.2,61.86 3.22,62.97 2.07,62.67 2.06,62.51 2.03,62.38 1.97,62.27 1.91,62.18 1.85,62.09 1.78,61.99 1.72,61.89 1.67,61.77 1.63,61.63 1.62,61.45
/out -U on Bottom: 195.34,42.22 195.54,42.21 195.7,42.18 195.84,42.14 195.95,42.08 196.05,42.01 196.15,41.93 196.25,41.84 196.37,41.76 196.5,41.67 196.66,41.58 197.45,42.35 196.66,43.11 196.5,43.02 196.37,42.94 196.25,42.85 196.15,42.76 196.05,42.68 195.95,42.61 195.84,42.56 195.7,42.51 195.54,42.48 195.34,42.47
/out -X on Top: 195.34,57.46 195.54,57.45 195.7,57.42 195.84,57.38 195.95,57.32 196.05,57.25 196.15,57.17 196.25,57.08 196.37,57 196.5,56.91 196.66,56.82 197.45,57.59 196.66,58.35 196.5,58.26 196.37,58.18 196.25,58.09 196.15,58 196.05,57.92 195.95,57.85 195.84,57.8 195.7,57.75 195.54,57.72 195.34,57.71
/out -Y on Bottom: 195.68,54.07 195.87,54.07 196.02,54.08 196.16,54.1 196.27,54.11 196.49,54.15 196.6,54.17 196.72,54.18 196.86,54.19 197.03,54.2 197.33,55.35 196.23,55.32 196.19,55.18 196.16,55.04 196.13,54.77 196.1,54.64 196.07,54.54 196.02,54.45 195.94,54.38 195.83,54.34 195.68,54.32
/out -Z on Bottom: 195.92,48.68 196.07,48.82 196.21,48.91 196.33,48.97 196.46,49.01 196.58,49.04 196.7,49.05 196.84,49.06 196.98,49.08 197.13,49.11 197.31,49.16 197.33,50.27 196.23,50.24 196.17,50.07 196.14,49.92 196.13,49.77 196.11,49.64 196.1,49.52 196.08,49.39 196.04,49.27 195.97,49.14 195.88,49.01 195.74,48.86
/out U on Bottom: 198.31,43.78 198.18,43.93 198.08,44.06 198.02,44.19 197.98,44.31 197.96,44.44 197.94,44.56 197.93,44.69 197.91,44.84 197.88,44.99 197.83,45.16 196.73,45.19 196.75,44.08 196.92,44.03 197.08,44 197.22,43.98 197.35,43.97 197.48,43.96 197.6,43.93 197.72,43.89 197.85,43.83 197.99,43.74 198.13,43.6
/out X on Top: 195.34,60 195.54,59.99 195.7,59.96 195.84,59.92 195.95,59.86 196.05,59.79 196.15,59.71 196.25,59.62 196.37,59.54 196.5,59.45 196.66,59.36 197.45,60.13 196.66,60.89 196.5,60.8 196.37,60.72 196.25,60.63 196.15,60.54 196.05,60.46 195.95,60.39 195.84,60.34 195.7,60.29 195.54,60.26 195.34,60.25
/out Y on Bottom: 195.92,51.22 196.07,51.36 196.21,51.45 196.33,51.51 196.46,51.55 196.58,51.58 196.7,51.59 196.84,51.6 196.98,51.62 197.13,51.65 197.31,51.7 197.33,52.81 196.23,52.78 196.17,52.61 196.14,52.46 196.13,52.31 196.11,52.18 196.1,52.06 196.08,51.93 196.04,51.81 195.97,51.68 195.88,51.55 195.74,51.4
/out Z on Bottom: 195.76,46.35 195.89,46.47 196.01,46.55 196.13,46.6 196.24,46.63 196.36,46.63 196.47,46.63 196.73,46.59 196.88,46.58 197.04,46.58 197.41,47.62 196.35,47.94 196.24,47.78 196.16,47.63 196.1,47.5 196.06,47.37 196.02,47.24 195.97,47.11 195.92,46.98 195.84,46.84 195.73,46.69 195.58,46.53
/OUT_AMP on Top: 4.22,51.29 4.21,51.47 4.18,51.61 4.12,51.73 4.06,51.83 4,51.93 3.93,52.02 3.87,52.11 3.82,52.22 3.78,52.35 3.77,52.51 2.62,52.81 2.64,51.7 2.82,51.66 3,51.65 3.19,51.66 3.36,51.67 3.52,51.68 3.67,51.68 3.79,51.65 3.89,51.58 3.95,51.47 3.97,51.29
/P1 on Bottom: 4.03,51.25 3.88,51.11 3.74,51.02 3.62,50.96 3.49,50.92 3.37,50.89 3.25,50.88 3.11,50.87 2.97,50.85 2.82,50.82 2.64,50.77 2.62,49.66 3.72,49.69 3.78,49.86 3.81,50.02 3.82,50.16 3.84,50.29 3.85,50.41 3.87,50.54 3.91,50.66 3.98,50.79 4.07,50.92 4.21,51.07
/P2 on Bottom: 4.61,42.47 4.41,42.48 4.25,42.51 4.11,42.56 4,42.61 3.9,42.68 3.8,42.76 3.7,42.85 3.58,42.94 3.45,43.02 3.29,43.11 2.5,42.35 3.29,41.58 3.45,41.67 3.58,41.76 3.7,41.84 3.8,41.93 3.9,42.01 4,42.08 4.11,42.14 4.25,42.18 4.41,42.21 4.61,42.22
/PWM on Top: 4.16,54.06 3.99,54.08 3.88,54.14 3.81,54.23 3.78,54.35 3.77,54.48 3.77,54.64 3.78,54.81 3.78,54.98 3.77,55.15 3.72,55.32 2.62,55.35 2.92,54.2 3.08,54.18 3.21,54.16 3.32,54.11 3.42,54.06 3.51,54 3.61,53.95 3.72,53.89 3.84,53.85 3.99,53.82 4.16,53.81
/rate_mod_pot on Bottom: 195.74,35.57 195.88,35.42 195.97,35.29 196.04,35.16 196.08,35.04 196.1,34.91 196.11,34.79 196.13,34.66 196.14,34.52 196.17,34.36 196.23,34.19 197.33,34.17 197.31,35.27 197.13,35.32 196.98,35.35 196.84,35.37 196.7,35.38 196.58,35.39 196.46,35.42 196.33,35.46 196.21,35.52 196.07,35.62 195.92,35.75
/rate_pot on Bottom: 195.7,32.7 195.85,32.68 195.96,32.64 196.04,32.56 196.09,32.47 196.12,32.36 196.14,32.23 196.15,32.09 196.16,31.94 196.18,31.8 196.23,31.65 197.33,31.63 197.03,32.78 196.87,32.78 196.73,32.79 196.61,32.81 196.5,32.84 196.29,32.89 196.17,32.91 196.04,32.93 195.88,32.94 195.7,32.95
/reso_pot_A on Bottom: 83.98,30.49 84.12,30.34 84.21,30.21 84.28,30.08 84.32,29.96 84.34,29.83 84.35,29.71 84.37,29.58 84.38,29.44 84.41,29.28 84.47,29.11 85.57,29.09 85.55,30.19 85.37,30.24 85.22,30.27 85.08,30.29 84.94,30.3 84.82,30.31 84.7,30.34 84.57,30.38 84.45,30.44 84.31,30.54 84.16,30.67
/reso_pot_B on Top: 84.16,30.64 84.31,30.78 84.45,30.87 84.57,30.94 84.7,30.97 84.82,31 84.94,31.01 85.08,31.02 85.22,31.04 85.37,31.07 85.55,31.12 85.57,32.23 84.47,32.21 84.41,32.03 84.38,31.88 84.37,31.73 84.35,31.6 84.34,31.48 84.32,31.36 84.28,31.23 84.21,31.1 84.12,30.97 83.98,30.82
/run_a_pot on Top: 86.37,25.59 86.23,25.46 86.09,25.36 85.96,25.3 85.84,25.26 85.72,25.23 85.59,25.22 85.46,25.21 85.32,25.19 85.16,25.16 84.99,25.11 84.97,24.01 86.07,24.03 86.12,24.2 86.15,24.36 86.17,24.5 86.18,24.63 86.2,24.75 86.22,24.88 86.26,25 86.32,25.13 86.42,25.26 86.55,25.41
/run_b_pot on Bottom: 83.92,18.25 84.11,18.25 84.26,18.26 84.4,18.28 84.51,18.3 84.73,18.33 84.84,18.35 84.96,18.36 85.1,18.37 85.27,18.38 85.57,19.53 84.47,19.51 84.43,19.36 84.4,19.22 84.37,18.95 84.34,18.82 84.31,18.72 84.26,18.63 84.18,18.56 84.07,18.52 83.92,18.5
/RUN_CV on Top: 4.21,56.48 4.07,56.63 3.98,56.76 3.91,56.89 3.87,57.01 3.85,57.14 3.84,57.26 3.82,57.39 3.81,57.54 3.78,57.69 3.72,57.86 2.62,57.89 2.64,56.78 2.82,56.73 2.97,56.7 3.11,56.68 3.25,56.67 3.37,56.66 3.49,56.63 3.62,56.59 3.74,56.53 3.88,56.44 4.03,56.3
/run_f_pot on Top: 83.76,36.66 83.89,36.76 84,36.8 84.11,36.8 84.21,36.76 84.31,36.7 84.41,36.61 84.52,36.51 84.64,36.41 84.76,36.32 84.9,36.24 85.69,37.01 84.67,37.61 84.55,37.5 84.44,37.41 84.34,37.35 84.24,37.29 84.05,37.19 83.95,37.13 83.84,37.05 83.72,36.96 83.59,36.83
/shape_IN1 on Top: 195.34,14.02 195.54,14.01 195.7,13.98 195.84,13.94 195.95,13.88 196.05,13.81 196.15,13.73 196.25,13.64 196.37,13.56 196.5,13.47 196.66,13.38 197.45,14.15 196.66,14.91 196.5,14.82 196.37,14.74 196.25,14.65 196.15,14.56 196.05,14.49 195.95,14.42 195.84,14.36 195.7,14.31 195.54,14.28 195.34,14.27
/shape_IN2 on Top: 195.74,17.79 195.88,17.64 195.97,17.51 196.04,17.38 196.08,17.26 196.1,17.13 196.11,17.01 196.13,16.88 196.14,16.74 196.17,16.58 196.23,16.41 197.33,16.39 197.31,17.49 197.13,17.54 196.98,17.57 196.84,17.59 196.7,17.6 196.58,17.61 196.46,17.64 196.33,17.68 196.21,17.74 196.07,17.84 195.92,17.97
/shape_OUT on Bottom: 195.74,20.33 195.88,20.18 195.97,20.05 196.04,19.92 196.08,19.8 196.1,19.67 196.11,19.55 196.13,19.42 196.14,19.28 196.17,19.12 196.23,18.95 197.33,18.93 197.31,20.03 197.13,20.08 196.98,20.11 196.84,20.13 196.7,20.14 196.58,20.15 196.46,20.18 196.33,20.22 196.21,20.28 196.07,20.38 195.92,20.51
/T1 on Top: 1.64,45.99 1.77,45.84 1.87,45.71 1.93,45.58 1.97,45.46 1.99,45.33 2.01,45.21 2.02,45.08 2.04,44.94 2.07,44.78 2.12,44.61 3.22,44.58 3.2,45.69 3.03,45.74 2.87,45.77 2.73,45.79 2.6,45.8 2.47,45.81 2.35,45.84 2.23,45.88 2.1,45.94 1.96,46.03 1.82,46.17
/T1 on Top: 1.77,46.06 1.78,45.94 1.82,45.82 1.86,45.72 1.92,45.62 1.99,45.54 2.05,45.46 2.15,45.35 2.17,45.32 2.18,45.29 3.22,44.58 2.51,45.63 2.49,45.63 2.45,45.63 2.39,45.65 2.32,45.68 2.25,45.71 2.18,45.76 2.12,45.82 2.07,45.89 2.03,45.97 2.02,46.06
/T2 on Bottom: 4.03,48.71 3.88,48.57 3.74,48.48 3.62,48.42 3.49,48.38 3.37,48.35 3.25,48.34 3.11,48.33 2.97,48.31 2.82,48.28 2.64,48.23 2.62,47.12 3.72,47.15 3.78,47.32 3.81,47.48 3.82,47.62 3.84,47.75 3.85,47.87 3.87,48 3.91,48.12 3.98,48.25 4.07,48.38 4.21,48.53
/V+ on Top: 4.63,19.5 4.43,19.51 4.26,19.53 4.12,19.56 4,19.6 3.89,19.66 3.78,19.72 3.56,19.85 3.43,19.93 3.27,20 2.5,19.21 3.32,18.47 3.46,18.56 3.59,18.64 3.81,18.78 3.91,18.84 4.02,18.9 4.13,18.94 4.27,18.97 4.43,18.99 4.63,19
/V- on Top: 4.61,22.02 4.42,22.02 4.26,22.04 4.12,22.08 4,22.12 3.89,22.17 3.79,22.24 3.57,22.38 3.44,22.45 3.29,22.53 2.5,21.77 3.29,21 3.44,21.08 3.57,21.16 3.79,21.3 3.89,21.36 4,21.41 4.12,21.46 4.26,21.49 4.42,21.51 4.61,21.52
/XOR on Top: 4.21,59.02 4.07,59.17 3.98,59.3 3.91,59.43 3.87,59.55 3.85,59.68 3.84,59.8 3.82,59.93 3.81,60.08 3.78,60.23 3.72,60.4 2.62,60.43 2.64,59.32 2.82,59.27 2.97,59.24 3.11,59.22 3.25,59.21 3.37,59.2 3.49,59.17 3.62,59.13 3.74,59.07 3.88,58.98 4.03,58.84
Net-(D12-Pad2) on Top: 104.79,5.26 105.15,5.25 105.46,5.21 105.71,5.15 105.93,5.06 106.13,4.96 106.32,4.85 106.52,4.72 106.73,4.58 106.97,4.44 107.25,4.29 108.73,5.71 107.25,7.13 106.97,6.99 106.73,6.84 106.52,6.71 106.32,6.58 106.13,6.46 105.93,6.36 105.71,6.28 105.46,6.22 105.15,6.18 104.79,6.16
Net-(D13-Pad1) on Top: 104.79,17.14 105.15,17.13 105.46,17.09 105.71,17.03 105.93,16.94 106.13,16.84 106.32,16.73 106.52,16.6 106.73,16.46 106.97,16.32 107.25,16.17 108.73,17.59 107.25,19.01 106.97,18.87 106.73,18.72 106.52,18.59 106.32,18.46 106.13,18.34 105.93,18.24 105.71,18.16 105.46,18.1 105.15,18.06 104.79,18.04
Net-(D18-Pad2) on Top: 132.21,64.98 132.02,64.99 131.85,65.02 131.72,65.07 131.6,65.13 131.5,65.2 131.4,65.28 131.3,65.36 131.19,65.45 131.05,65.54 130.9,65.62 130.1,64.86 130.9,64.09 131.05,64.18 131.19,64.27 131.3,64.36 131.4,64.44 131.5,64.52 131.6,64.59 131.72,64.65 131.85,64.69 132.02,64.72 132.21,64.73
Net-(D33-Pad1) on Top: 146.14,5.38 146.04,5.28 145.94,5.2 145.86,5.14 145.77,5.09 145.69,5.05 145.6,5.03 145.52,5.01 145.43,5.01 145.33,5.01 145.22,5.02 144.75,4.09 145.7,3.66 146.77,4.74
Net-(D33-Pad1) on Top: 144.18,4.68 144,4.68 143.85,4.68 143.72,4.69 143.6,4.71 143.49,4.73 143.38,4.76 143.28,4.79 143.18,4.83 143.06,4.89 142.94,4.94 142.19,4.23 142.94,3.5 143.06,3.56 143.18,3.62 143.28,3.66 143.38,3.69 143.49,3.72 143.6,3.74 143.72,3.76 143.85,3.77 144,3.77 144.18,3.77
Net-(D33-Pad1) on Top: 144.03,3.77 144.14,3.77 144.23,3.76 144.32,3.74 144.39,3.72 144.45,3.69 144.51,3.66 144.63,3.58 144.7,3.55 144.78,3.5 145.53,4.23 144.78,4.94 144.7,4.9 144.63,4.87 144.51,4.79 144.45,4.76 144.39,4.73 144.32,4.71 144.23,4.69 144.14,4.68 144.03,4.68
Net-(D33-Pad2) on Top: 146.58,18.65 146.45,18.78 146.35,18.89 146.26,19 146.19,19.09 146.12,19.18 146.07,19.28 146.02,19.37 145.98,19.48 145.93,19.6 145.89,19.73 144.85,19.75 144.87,18.71 145,18.66 145.12,18.62 145.22,18.57 145.32,18.53 145.41,18.47 145.5,18.41 145.6,18.33 145.7,18.25 145.82,18.14 145.94,18.02
Net-(D33-Pad2) on Top: 167.65,7.19 167.81,7.02 167.93,6.86 168.01,6.71 168.07,6.56 168.1,6.42 168.12,6.27 168.13,6.11 168.13,5.95 168.13,5.76 168.15,5.56 169.78,5.12 170.15,6.77 169.93,6.9 169.74,6.99 169.56,7.07 169.22,7.2 169.05,7.27 168.88,7.36 168.7,7.47 168.51,7.63 168.29,7.83
Net-(D33-Pad2) on Top: 144.19,19.88 144.02,19.88 143.86,19.89 143.73,19.9 143.61,19.92 143.51,19.94 143.4,19.97 143.3,20 143.2,20.05 143.09,20.1 142.97,20.17 142.19,19.48 142.91,18.73 143.04,18.79 143.16,18.83 143.26,18.87 143.37,18.9 143.48,18.93 143.59,18.95 143.71,18.96 143.85,18.97 144.01,18.98 144.19,18.98
Net-(D33-Pad2) on Top: 143.58,18.98 143.75,18.98 143.9,18.97 144.04,18.96 144.16,18.95 144.26,18.93 144.37,18.9 144.47,18.87 144.57,18.83 144.69,18.78 144.82,18.73 145.53,19.48 144.75,20.17 144.63,20.11 144.53,20.05 144.43,20.01 144.33,19.97 144.23,19.94 144.13,19.92 144.02,19.9 143.89,19.89 143.74,19.88 143.58,19.88
Net-(F1-Pad1) on Top: 161.36,5.21 161.66,5.21 161.91,5.18 162.13,5.14 162.31,5.08 162.48,5.01 162.64,4.92 162.81,4.83 162.98,4.73 163.18,4.62 163.41,4.5 164.62,5.68 163.39,6.84 163.16,6.72 162.97,6.61 162.79,6.51 162.63,6.41 162.47,6.33 162.31,6.25 162.12,6.2 161.91,6.15 161.66,6.12 161.36,6.12
Net-(J14-Pad1) on Top: 129.51,64.18 129.36,64.34 129.25,64.48 129.16,64.61 129.08,64.73 129.02,64.84 128.96,64.96 128.9,65.07 128.82,65.19 128.72,65.32 128.59,65.46 127.57,64.94 128.2,64.04 128.33,64.08 128.46,64.12 128.58,64.16 128.69,64.19 128.8,64.22 128.9,64.22 129,64.21 129.11,64.17 129.22,64.1 129.33,64

Small or netless copper shapes (teardrops, artwork), in the pictures only: 280 on Top, 271 on Bottom

## Text on the board
F.Silkscreen: on | off
